# Altium PCB MagcontactNRF.PcbDoc
Units mm, origin at the board's own origin, x right, y up, seen from the top; angles counter-clockwise.
Board outline 22 x 20 mm, 2 copper layers (Top Layer, Bottom Layer); 32 components, 30 nets, 102 pads, 26 vias.
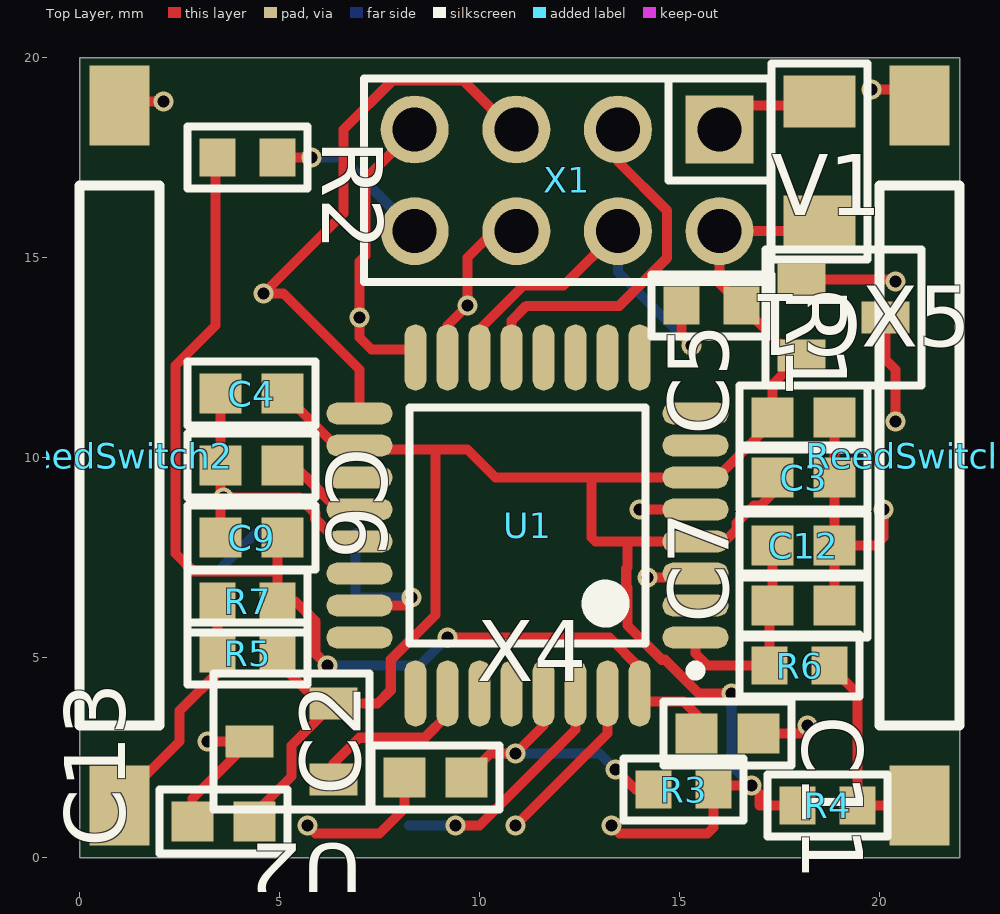
[diagram p0: Top Layer view]
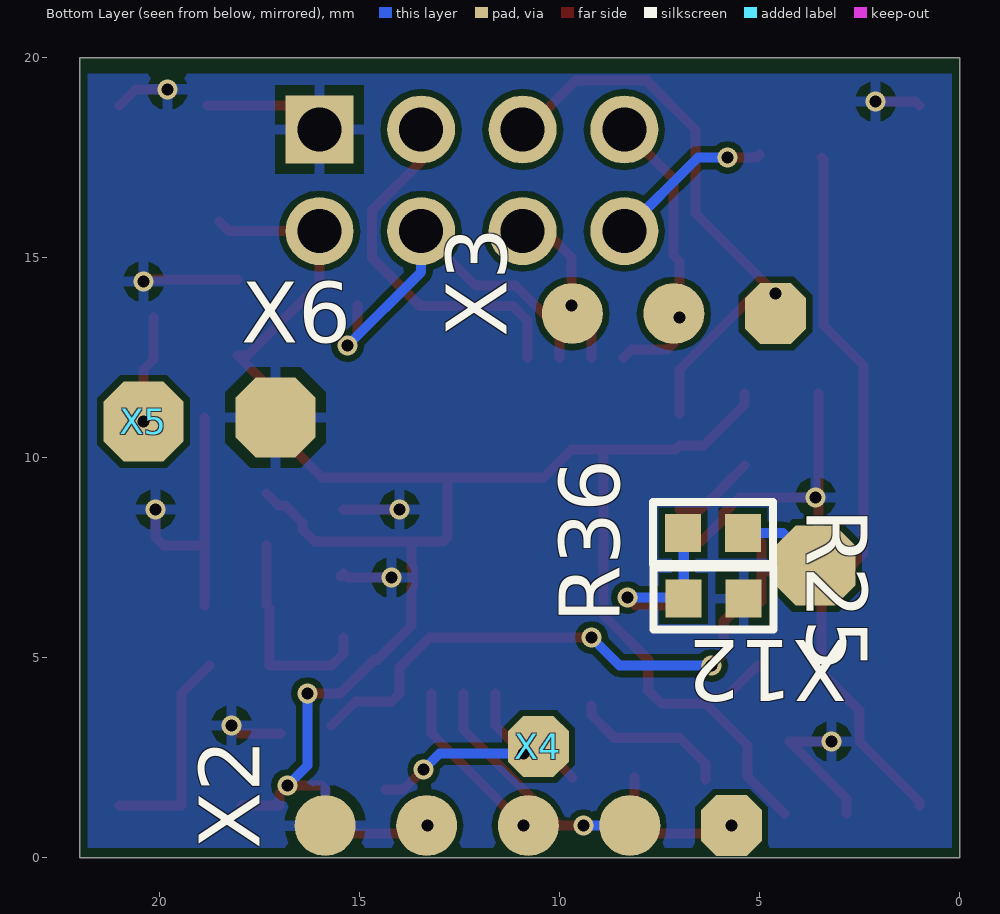
[diagram p1: Bottom Layer view, seen from below]

## Layer stack, top to bottom
Top Solder: solder mask 0.0102, Solder Resist, Dk 3.5
Top Layer: signal copper 0.0356
Dielectric 1: dielectric 0.32, FR-4, Dk 4.8
Bottom Layer: signal copper 0.0356
Bottom Solder: solder mask 0.0102, Solder Resist, Dk 3.5

## Board outline
0,0 0,20 22,20 22,0

## Design rules (kind name [scope] priority, off if disabled: settings)
Clearance Clearance_1 [OnLayer('Keep-Out Layer')] p1: gap=0.1
Clearance [All] p2: gap=0.155
PolygonConnect [All] p1: connectstyle=Relief reliefconductorwidth=0.254 reliefentries=4 polygonreliefangle="90 Angle" airgapwidth=0.254
RoutingVias [All] p1: holewidth=0.3 width=0.8 viastyle="Through Hole" minholewidth=0.25 minwidth=0.5 maxholewidth=0.8 maxwidth=1.27
SolderMaskExpansion [All] p1: expansion=0.102
Width [All] p1: maxlimit=0.254 minlimit=0.254 preferedwidth=0.254
30 further rules are at their usual default settings.

## Components (designator, comment, footprint, x,y, rotation, side; value= is the part's Value field where it differs from the comment)
C1 "220nF/50V" CAP_1206_IPC_B 18.5,17.4 r270 top
C2 "100nF/16V" CAP_0603_IPC_B 8.9,2 r180 top
C3 "100nF/16V" CAP_0603_IPC_B 18.1,9.5 r180 top
C4 "100nF/16V" CAP_0603_IPC_B 4.3,11.6 r0 top
C5 "100nF/16V" CAP_0603_IPC_B 18.1,11 r180 top
C6 "100nF/16V" CAP_0603_IPC_B 4.3,9.8 r0 top
C7 "100nF/16V" CAP_0603_IPC_B 18.1,6.3 r180 top
C9 "100nF/16V" CAP_0603_IPC_B 4.3,8 r180 top
C11 "100nF/16V" CAP_0603_IPC_B 16.2,3.1 r0 top
C12 "100nF/16V" CAP_0603_IPC_B 18.1,7.8 r180 top
C13 "100nF/16V" CAP_0603_IPC_B 3.6,0.9 r180 top
R1 "10k/5%/200ppm" RES_0603_IPC_B 15.8,13.8 r0 top
R2 "10k/5%/200ppm" RES_0603_IPC_B 4.2,17.5 r0 top
R3 "10k/5%/200ppm" RES_0603_IPC_B 15.1,1.7 r0 top
R4 "1M" RES_0603_IPC_B 18.7,1.3 r180 top
R5 "1M" RES_0603_IPC_B 4.2,5.1 r0 top
R6 "10k/5%/200ppm" RES_0603_IPC_B 18,4.8 r0 top
R7 "10k/5%/200ppm" RES_0603_IPC_B 4.2,6.4 r180 top
R25 "1M" RES_0603_IPC_B 6.166,8.113 r180 bottom
R36 "1M" RES_0603_IPC_B 6.146,6.473 r0 bottom
ReedSwitch1 "ReedSwitch" MDSM-4 21,18.8 r270 top
ReedSwitch2 "ReedSwitch" MDSM-4 1,18.8 r270 top
U1 "ATmega328-AU" 32A_N 11.2,8.3 r180 top
U2 "ATSHA204A" SOT23-3L 5.3,2.9 r180 top
V1 "BSS84P" SOT23-3L 19.1,13.5 r0 top
X1 "SL_2x4p_V_RM2.54" HEADER2X4_V_RM2.54 16,18.2 r180 top
X2 "FTDI SMD" "FTDI SMD" 5.7,0.8 r0 bottom
X3 "AVRISPSMD" AVRISPSMD 4.6,13.6 r0 bottom
X4 "AVRISPSMD_RST" "AVRISPSMD - RST" 10.529,2.773 r0 top
X5 "1pinsmall" 1pinsmall#1 20.4,10.9 r0 top
X6 "1pinsmall" 1pinsmall#2 17.1,11 r180 bottom
X12 "1pinsmall" 1pinsmall#2 3.6,7.3 r0 bottom

## Footprints (in the part's own frame and the unit in brackets; to place one, negate y for a bottom-side part, rotate by r counter-clockwise, add the part's x,y. Pads: shape width x height; smd on the part's side, far side on the other; paste and mask are expansions set on the pad)
1pinsmall#1 [mm]
  oct 2x2 smd far side: 1(0,0)
1pinsmall#2 [mm]
  oct 2x2 smd: 1(0,0)
32A_N [mm] "Thin QFP, 32-Leads, Body 7x7mm, Pitch 0.8mm, IPC Medium Density"
  oval 1.65x0.55 smd: 1(-4.2,2.8) 2(-4.2,2) 3(-4.2,1.2) 4(-4.2,0.4) 5(-4.2,-0.4) 6(-4.2,-1.2) 7(-4.2,-2) 8(-4.2,-2.8) 17(4.2,-2.8) 18(4.2,-2) 19(4.2,-1.2) 20(4.2,-0.4) 21(4.2,0.4) 22(4.2,1.2) 23(4.2,2) 24(4.2,2.8)
  oval 0.55x1.65 smd: 9(-2.8,-4.2) 10(-2,-4.2) 11(-1.2,-4.2) 12(-0.4,-4.2) 13(0.4,-4.2) 14(1.2,-4.2) 15(2,-4.2) 16(2.8,-4.2) 25(2.8,4.2) 26(2,4.2) 27(1.2,4.2) 28(0.4,4.2) 29(-0.4,4.2) 30(-1.2,4.2) 31(-2,4.2) 32(-2.8,4.2)
  silkscreen extent -4.33,-2.95 2.95,3.75, body extent -3.5,-3.5 3.5,3.5, height 1.2
AVRISPSMD [mil]
  oct 60x60 smd: 1(0,0)
  round 60 smd: 2(100,0) 3(200,0)
"AVRISPSMD - RST" [mil]
  oct 60x60 smd far side: 1(0,0)
CAP_0603_IPC_B [mm]
  rect 1.05x1 smd: 1(-0.775,0) 2(0.775,0)
  silkscreen extent -1.6,-0.8 1.6,0.8, body extent -1.3,-0.5 1.3,0.5, height 0.8
CAP_1206_IPC_B [mm]
  rect 1.3x1.8 smd: 1(-1.5,0) 2(1.5,0)
  silkscreen extent -2.45,-1.2 2.45,1.2, body extent -2.15,-0.9 2.15,0.9, height 0.79
"FTDI SMD" [mil]
  oct 60x60 smd: 1(0,0)
  round 60 smd: 2(100,0) 3(200,0) 4(300,0) 5(400,0)
HEADER2X4_V_RM2.54 [mm]
  rect 1.7x1.7 hole 1.1: 1(0,0)
  round 1.7 hole 1.1: 2(0,2.54) 3(2.54,0) 4(2.54,2.54) 5(5.08,0) 6(5.08,2.54) 7(7.62,0) 8(7.62,2.54)
  silkscreen extent -1.27,-1.27 8.89,3.81, body extent -2,-1.5 13,27.5, height 6.86
MDSM-4 [mm]
  rect 2x1.5 smd: 1(0,0) 2(17.5,0)
  silkscreen extent 2,-1 15.5,1, body extent -0.95,-1.1 18.35,1.18, height 2.87
RES_0603_IPC_B [mm]
  rect 0.9x0.95 smd: 1(-0.75,0) 2(0.75,0)
  silkscreen extent -1.5,-0.77 1.5,0.77, body extent -1.2,-0.48 1.2,0.48, height 0.45
SOT23-3L [mm]
  rect 1.2x0.8 smd: 1(-1.05,0.95) 2(-1.05,-0.95) 3(1.05,0)
  silkscreen extent -1.95,-1.7 1.95,1.7, body extent -1.65,-1.46 1.65,1.46, height 0.99

## Part data
C1: library part 220nF_50V_1206_02-0087, "02-0087 - SMD Capacitor 1206 220nF 50V X7R"
C2 C3 C4 C5 C6 C7 C9 C11 C12 C13: library part 100nF_16V_0603_02-0338, "02-0338 - SMD Capacitor 0603 100nF 16V X7R"
R1 R2 R3 R6 R7: library part 10k_0603_01-0424, "01-0424 - SMD Resistor 0603 0.063W 5%"
R4 R5 R25 R36: library part 1M_0603_01-0898, "01-0898 - SMD Resistor 0603  0.1W  1%"
U1: "8-bit AVR Microcontroller, 32KB Flash, 1KB EEPROM, 2KB SRAM, 32-pin TQFP, Industrial Grade (-40°C to 85°C)"
V1: library part M_BSS84_08-0275, "08-0275 - SIPMOS Small-Signal-Transistor"
X1: library part SL_2x4p_V_RM2.54_03-0086, "NRF"

## Via types
v1: diameter 0.5, hole 0.3, Top Layer to Bottom Layer, tented both sides, 26 vias

## Nets (pads, with @x,y where several pads share a name; then routed paths per layer and width w, separated by ;. In a path a pad name is that pad's centre, name@x,y a point inside that pad or via, vN(x,y) a via of type N, cw(c..) or ccw(c..) an arc to the next point about the centre after c; other vN are vias at no path point)
A0: R25.1 R36.2 U1.23 | length 4.4
  Top Layer w0.254: U1.23 8.1,6.3 v1(8.3,6.5)
  Bottom Layer w0.254: R25.1 6.896,8.093 R36.2 6.923,6.5 v1(8.3,6.5)
A1: U1.24
A2: U1.25
A3: U1.26 U2.1 | length 4
  Top Layer w0.254: U2.1 6.35,2.35 7,3 7.007,2.993 8.631,2.993 9.2,3.562 U1.26@9.2,3.8
D2: C9.1 C11.1 R2.1 R7.1 U1.32 | length 28.2
  Top Layer w0.254: R2.1 3.4,17.45 3.4,13.3 2.4,12.3 2.4,7.6 2.843,7.157 4.931,7.157 4.95,7.138 ; C9.1 4.95,7.875 4.95,7.138 ; v1(6.2,4.8) 5.893,5.107 5.893,5.907 5.4,6.4 R7.1 4.95,7.138 ; v1(9.2,5.5) 13.248,5.5 14,4.748 U1.32 14.2,3.9 15.1,3.9 C11.1@15.7,3.3
  Bottom Layer w0.254: v1(6.2,4.8) 8.5,4.8 v1(9.2,5.5)
D3: C7.2 C12.2 R6.1 U1.1 | length 5.4
  Top Layer w0.254: U1.1 15.4,5.1 15.7,4.8 R6.1 17.25,6.225 C7.2 C12.2
D4: U1.2
D5: U1.9
D6: U1.10
D7: U1.11
D8: U1.12
D9: U1.13 X1.3 | length 9.2
  Top Layer w0.254: U1.13 10.8,13.422 11.17,13.792 13.492,13.792 14.691,14.991 14.691,16.17 13.46,17.401 X1.3
D10: R1.1 U1.14 X1.4 | length 9.9
  Top Layer w0.254: U1.14 10,13.2 11.1,14.3 12.1,14.3 X1.4 ; R1.1 15.05,13.05 v1(15.3,12.8)
  Bottom Layer w0.254: X1.4 13.46,14.64 v1(15.3,12.8)
DTR: C2.2 X2.1 | length 3.5
  Top Layer w0.254: v1(5.7,0.8) 5.9,0.6 7.5,0.6 8.125,1.225 C2.2
GND: C1.1 C3.1 C4.1 C5.1 C6.1 C7.1 C9.2 C11.2 C12.1 C13.2 R36.1 ReedSwitch1.1 ReedSwitch2.1 U1.3 U1.5 U1.21 U2.3 V1.1 X1.1 X2.5 X6.1 | length 29.7
  Top Layer w0.254: ReedSwitch2.1 1.1,18.9 v1(2.1,18.9) ; C13.2@2.825,1.1 2.825,1.475 U2.3 v1(3.2,2.9) ; C9.2 v1@3.525,9 ; C4.1 C6.1 v1@3.525,9 ; U1.21 6.462,7.9 5.893,8.469 5.893,8.607 5.5,9 v1@3.525,9 ; v1(14,8.7) U1.5 ; v1(14.2,7) 15.3,7 U1.3 U1.3@15.47,7.03 ; X1.1 16.6,18.8 C1.1@18.8,18.8 ; C11.2 18,3.1 v1(18.2,3.3) ; V1.1 20.35,14.45 v1(20.4,14.4) ; C7.1 C12.1 ; C5.1 C3.1 C12.1 ; v1(19.8,19.2) 20.6,19.2 ReedSwitch1.1 ; v1(20.1,8.7) 20.1,8 19.9,7.8 C12.1
  other v1: 3.6,9
MISO: U1.16 X1.7 X3.2 | length 7.4
  Top Layer w0.254: X1.7 7.149,16.969 7.149,15.051 7,14.902 v1(7,13.5) 7,13 7.3,12.7 8.2,12.7 U1.16
MOSI: U1.15 X1.6 X3.3 | length 4.2
  Top Layer w0.254: U1.15 9.2,13.3 v1(9.7,13.8) 9.7,15 10.36,15.66 X1.6
NetC6_2: C6.2 U1.20 | length 2.1
  Top Layer w0.254: C6.2@5.375,9.8 5.893,9.282 5.893,9.269 6.219,8.943 6.232,8.943 6.475,8.7 U1.20
NetR2_2: R2.2 X1.8 | length 4.2
  Top Layer w0.254: R2.2@5,17.57 5.07,17.5 v1(5.8,17.5)
  Bottom Layer w0.254: v1(5.8,17.5) 6.54,17.5 X1.8
NetR4_1: R4.1 R6.2 ReedSwitch1.2 | length 5.3
  Top Layer w0.254: R6.2 19.45,4.1 R4.1 ReedSwitch1.2
NetR5_1: R5.1 R7.2 ReedSwitch2.2 | length 6.1
  Top Layer w0.254: ReedSwitch2.2 1,1.4 2.5,2.9 2.5,3.67 R5.1@3.54,4.71 ; R5.1@3.45,4.8 R7.2
NetR25_2: R25.2 X12.1 | length 2.2
  Bottom Layer w0.254: X12.1 4.413,8.113 R25.2
NetV1_D: V1.3 X5.1 | length 2.7
  Top Layer w0.254: V1.3 20.15,12.45 20.4,12.2 v1(20.4,10.9)
RST: C2.1 R3.1 U1.29 X4.1 | length 7.1
  Top Layer w0.254: C2.1 10.275,2.6 v1(10.9,2.6) 11.6,3.3 U1.29 ; v1(13.4,2.2) 13.9,1.7 R3.1
  Bottom Layer w0.254: v1(10.9,2.6) 13,2.6 v1(13.4,2.2)
RXD: U1.30 X2.2 | length 6
  Top Layer w0.254: v1(9.4,0.8) 10,0.8 12.4,3.2 U1.30
  Bottom Layer w0.254: X2.2 v1@9.34,0.8
SCK: U1.17 X1.5 X3.1 | length 14.5
  Top Layer w0.254: U1.17 7,12.2 5.1,14.1 v1(4.6,14.1) 6.6,16.1 6.6,18.2 7.831,19.431 9.589,19.431 X1.5@10.82,18.2
SCL: U1.28
SDA: U1.27
TXD: U1.31 X2.3 | length 4.3
  Top Layer w0.254: v1(10.9,0.8) 13.2,3.1 U1.31
VCC: C1.2 C3.2 C4.2 C5.2 C13.1 R1.2 R3.2 R4.2 R5.2 U1.4 U1.6 U1.18 U2.2 V1.2 X1.2 X2.4 | length 56.9
  Top Layer w0.254: C13.1@4.375,1.1 5.3,2.025 5.3,2.8 U2.2 ; R5.2@5.05,4.8 5.85,4 6.2,4 U2.2 ; C4.2@5.375,11.6 5.375,11.325 6.4,10.3 U1.18 7.1,10.2 9.7,10.2 10.4,9.5 12.8,9.5 ; 8.9,10.2 8.9,6.062 7.781,4.943 7.781,4.181 7.45,3.85 U2.2 ; v1(13.3,0.8) 13.5,0.6 15.7,0.6 15.85,0.75 R3.2 15.95,1.8 v1(16.8,1.8) 17,1.6 17,1.3 R4.2 ; 14.293,7.9 12.9,7.9 12.8,8 12.8,9.5 ; v1(16.3,4.1) 15.478,4.1 14.635,4.943 14.557,4.943 13.7,5.8 13.7,6.748 13.668,6.78 13.668,7.22 13.7,7.252 13.7,7.843 13.757,7.9 U1.4 16.125,7.9 16.425,8.2 16.425,8.365 16.86,8.8 17.025,8.8 C3.2@17.325,9.1 ; C1.2 18.26,15.66 X1.2 16,14.35 R1.2 17.8,12.55 V1.2 17.325,11.825 17.325,10.887 15.938,9.5 U1.6 12.8,9.5
  Bottom Layer w0.254: v1(16.3,4.1) 16.3,2.3 v1(16.8,1.8)
pads on no net: U1.7 U1.8 U1.19 U1.22

## Polygon pours and split planes (outlines as drawn)
GND on Bottom Layer "Bottom Layer-No Net" (solid, pour order 0): 0.2,0.244 21.8,0.244 21.8,1.8 21.8,2.2 21.8,2.9 21.8,19.6 0.2,19.6

## Silkscreen, mask and mechanical layers (free items; w line width, h text height)
Bottom Solder:
  text "SCK" at 4.4,12.5 h1 r90
  text "MI" at 7.6,12.5 h1 r90
  text "MO" at 10.4,12.5 h1 r90
  text "GND" at 17.5,9.5 h1 r90
  text "VCC" at 21,9.5 h1 r90
  text "RST" at 11.1,6.7 h1 r90
  text "DTR" at 5.6,4.7 h1 r90
  text "TX" at 9.3,4.7 h1 r90
  text "GND" at 16.8,4.7 h1 r90
  text "RX" at 7.7,4.6 h1 r90
  text "VCC" at 15,2 h1

## Text inside footprints (layer, text, board x,y; h text height)
X1: Mechanical 2 "1" at 16.15,18.69 h1 r180